# Altium PCB RFFE.PcbDoc (part 7 of 7)
Units mm, origin at the board's own origin, x right, y up, seen from the top; angles counter-clockwise.
Board outline 301.13 x 195.92 mm, 10 copper layers (RFsignal Top, Ground RF signal, Supply, SupplyGND, Digital signal, DigitalGND, CallTone RF, Ground Calltone, Ground RF signal (Plane6), RFsignal Bottom), stack 1.907 mm thick; 558 components, 369 nets, 2153 pads, 4580 vias.
Unrouted connection lines stored in the file: 1.
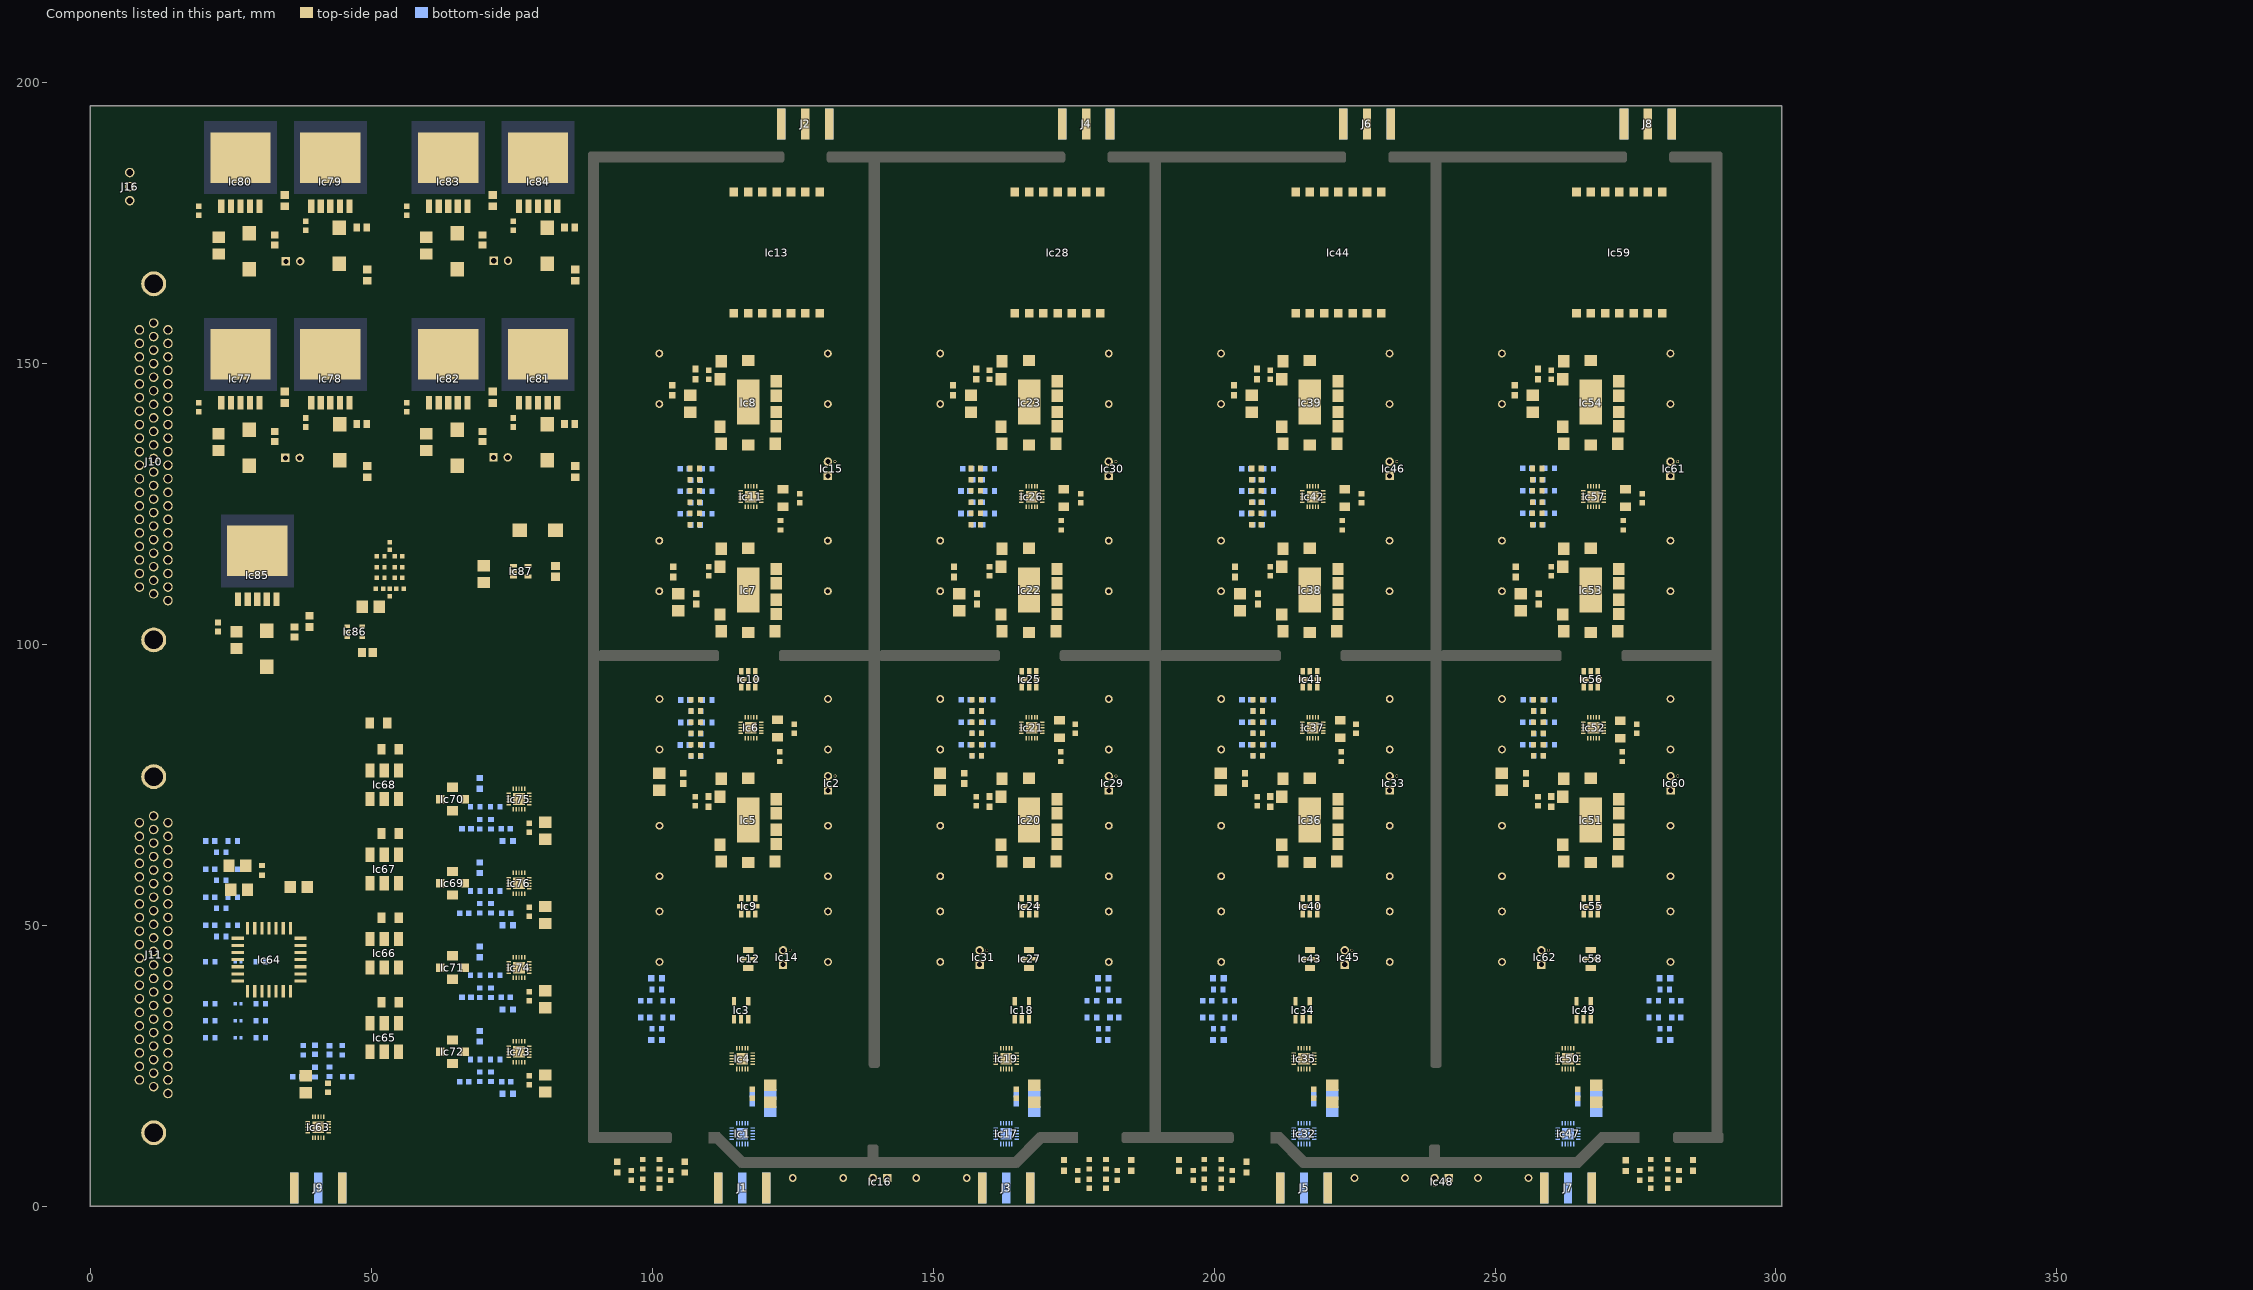
[diagram p15: the components of this part, seen from the top]

## Polygon pours and split planes (outlines as drawn) (continued)
RFGND on RFsignal Top "Top Layer-No Net" (solid, remove dead copper, pour order 115): 257,120 257,98.75 275.281,98.75 276.5,98.75 276.5,120 257,120
RFGND on RFsignal Top "Top Layer-No Net" (solid, remove dead copper, pour order 116): 207,120 207,98.75 225.281,98.75 226.5,98.75 226.5,120 207,120
RFGND on RFsignal Top "Top Layer-No Net" (solid, remove dead copper, pour order 117): 157,120 157,98.75 175.281,98.75 176.5,98.75 176.5,120 157,120
RFGND on RFsignal Top "Top Layer-No Net" (solid, remove dead copper, pour order 118): 107,120 107,98.75 125.281,98.75 126.5,98.75 126.5,120 107,120
RFGND on RFsignal Top "Top Layer-No Net" (solid, remove dead copper, pour order 114): 257,78.75 275.25,78.75 275.25,58.75 257,58.75 257,78.75
RFGND on RFsignal Top "Top Layer-No Net" (solid, remove dead copper, pour order 110): 207,78.75 207,58.75 225.25,58.75 225.25,78.75 207,78.75
RFGND on RFsignal Top "Top Layer-No Net" (solid, remove dead copper, pour order 106): 157,78.75 157,58.75 175.25,58.75 175.25,78.75 157,78.75
RFGND on RFsignal Top "Top Layer-No Net" (solid, remove dead copper, pour order 104): 107,78.75 125.25,78.75 125.25,58.38 107,58.38 107,78.75
RFGND on RFsignal Top "Top Layer-No Net" (solid, pour order 100): 264,47.5 270.25,47.5 270.25,40 264,40 264,47.5
RFGND on RFsignal Top "Top Layer-No Net" (solid, pour order 97): 214,47.5 214,40 220.25,40 220.25,47.5 214,47.5
RFGND on RFsignal Top "Top Layer-No Net" (solid, remove dead copper, pour order 102): 114,47.5 120.25,47.5 120.25,40 114,40 114,47.5
RFGND on RFsignal Top "Top Layer-No Net" (solid, pour order 108): 164,47.5 164,40 170.25,40 170.25,47.5 164,47.5
RFGND on RFsignal Top "Top Layer-No Net" (solid, remove dead copper, pour order 148): 107,98.75 107,91.5 126.5,91.5 126.5,98.75 107,98.75
RFGND on RFsignal Top "Top Layer-No Net" (solid, remove dead copper, pour order 149): 157,98.75 157,91.5 176.5,91.5 176.5,98.75 157,98.75
RFGND on RFsignal Top "Top Layer-No Net" (solid, remove dead copper, pour order 150): 207,98.75 207,91.5 226.5,91.5 226.5,98.75 207,98.75
RFGND on RFsignal Top "Top Layer-No Net" (solid, remove dead copper, pour order 151): 257,98.75 257,91.5 276.5,91.5 276.5,98.75 257,98.75
RFGND on RFsignal Top "Top Layer-No Net" (solid, remove dead copper, pour order 152): 107.05,58.75 107.05,47.5 125.25,47.5 125.25,58.7 107,58.7
RFGND on RFsignal Top "Top Layer-No Net" (solid, remove dead copper, pour order 153): 157,58.75 157,47.5 175.25,47.5 175.25,58.75 157,58.75
RFGND on RFsignal Top "Top Layer-No Net" (solid, remove dead copper, pour order 154): 207,58.75 207,47.5 225.25,47.5 225.25,58.75 207,58.75
RFGND on RFsignal Top "Top Layer-No Net" (solid, remove dead copper, pour order 155): 257,58.75 257,47.5 275.25,47.5 275.25,58.75 257,58.75
RFGND on RFsignal Top "Top Layer-No Net" (solid, remove dead copper, pour order 159): 107,153.75 135.25,153.75 135.25,195.5 107,195.5 107,153.75
RFGND on RFsignal Top "Top Layer-No Net" (solid, remove dead copper, pour order 158): 157,153.75 185.25,153.75 185.25,195.5 157,195.5 157,153.75
RFGND on RFsignal Top "Top Layer-No Net" (solid, remove dead copper, pour order 157): 207,153.75 235.25,153.75 235.25,195.5 207,195.5 207,153.75
RFGND on RFsignal Top "Top Layer-No Net" (solid, remove dead copper, pour order 156): 257,153.75 285.25,153.75 285.25,195.5 257,195.5 257,153.75
RFGND on RFsignal Top "Top Layer-No Net" (solid, pour order 160): 90.266,0.503 90.266,31.753 188.229,31.753 188.229,0.503 90.266,0.503
RFGND on RFsignal Top "Top Layer-No Net" (solid, pour order 161): 191.13,0.501 191.13,31.751 287.63,31.751 287.63,0.501 191.13,0.501
PGND on RFsignal Top "Top Layer-No Net" (solid, pour order 162): 45.25,90 67.5,90 67.5,22.75 45.25,22.75 45.25,90
RFGND on RFsignal Top "Top Layer-No Net" (solid, pour order 103): 285.25,195.5 285.25,153.754 275.25,153.754 275.25,153.75 275.25,122.67 276.5,122.67 276.5,89 276.5,81.5 275.25,81.5 275.25,47.5 270.25,47.5 270.25,40 267.86,40 267.44,40 267.44,35.15 267.44,31.751 287.63,31.751 287.63,0.501 287.63,0.5 300.75,0.5 300.74,0.5 300.74,195.489 300.74,195.5 285.25,195.5
RFGND on RFsignal Top "Top Layer-No Net" (solid, pour order 113): 257,195.5 257,133.51 252.48,133.51 252.48,120 257,120 257,91.5 255.25,91.5 255.25,78.75 257,78.75 257,47.5 264,47.5 264,40 266.22,40 266.3,40 266.3,37.15 266.3,36.8 263.8,36.8 263.721,36.8 263.721,31.751 263.721,31.75 217.4,31.75 217.4,40.05 217.4,40 220.25,40 220.25,47.5 225.25,47.5 225.25,81.5 225.25,89 226.5,89 226.5,122.67 226.5,130.35 225.25,130.35 225.25,153.75 225.25,153.754 235.25,153.754 235.25,195.5 257,195.5
RFGND on RFsignal Top "Top Layer-No Net" (solid, remove dead copper, pour order 112): 207,195.5 207,133.51 202.48,133.51 202.48,120 207,120 207,91.5 205.25,91.5 205.25,78.75 207,78.75 207,47.5 214,47.5 214,40 216.22,40 216.3,40 216.3,37.15 216.3,36.8 213.8,36.8 213.721,36.8 213.721,31.751 213.721,31.75 167.4,31.75 167.4,40.05 167.4,40 170.25,40 170.25,47.5 175.25,47.5 175.25,81.5 175.25,89 176.5,89 176.5,122.67 176.5,130.35 175.25,130.35 175.25,153.75 175.25,153.754 185.25,153.754 185.25,195.5 207,195.5
RFGND on RFsignal Top "Top Layer-No Net" (solid, pour order 111): 157,195.5 157,133.51 152.48,133.51 152.48,120 157,120 157,91.5 155.25,91.5 155.25,78.75 157,78.75 157,47.5 164,47.5 164,40 166.22,40 166.3,40 166.3,37.15 166.3,36.8 163.8,36.8 163.721,36.8 163.721,31.751 163.721,31.75 117.4,31.75 117.4,40.05 117.4,40 120.25,40 120.25,47.5 125.25,47.5 125.25,81.5 125.25,89 126.5,89 126.5,122.67 126.5,130.35 125.25,130.35 125.25,153.75 125.25,153.754 135.25,153.754 135.25,195.5 157,195.5
RFGND on RFsignal Top "Top Layer-No Net" (solid, remove dead copper, pour order 124): 107,195.5 107,133.51 102.48,133.51 102.48,120 107,120 107,91.5 105.25,91.5 105.25,78.75 107,78.75 107.05,78.75 107.05,47.5 114,47.5 114,40 116.22,40 116.3,40 116.3,37 116.3,36.85 113.85,36.85 113.681,36.85 113.681,31.753 90.266,31.753 90.25,31.753 90.25,34 90.25,78.9 90.25,174.3 90.25,195.5 90.3,195.5 107,195.5
PGND on RFsignal Top "Top Layer-No Net" (solid, pour order 169): 36.704,16.711 36.704,11.151 44.202,11.151 44.307,11.151 44.307,16.711 44.307,16.696 36.704,16.696
PGND on RFsignal Top "Top Layer-No Net" (solid, pour order 170): 19.75,47.897 19.75,90 46.24,90 46.24,47.897 19.75,47.897
RFGND on RFsignal Bottom "Top Layer-No Net" (solid, pour order 107): 0,195.793 0,0 301,0 301,195.793 0,195.793
no net on Top Solder "Top Layer-No Net" (solid): 89.5,41.25 89.5,38.53 89.76,38.53 ccw(c89.76,41.07) 92.3,41.07 92.3,41.25 92.3,41.46 ccw(c89.76,41.46) 89.76,44 89.49,44 89.33,44 ccw(c89.33,41.46) 86.79,41.46 86.79,41.25 86.79,41.03 ccw(c89.33,41.03) 89.33,38.49 89.51,38.49
no net on Top Solder "Top Layer-No Net" (solid): 189.5,41.25 189.5,38.53 189.76,38.53 ccw(c189.76,41.07) 192.3,41.07 192.3,41.25 192.3,41.46 ccw(c189.76,41.46) 189.76,44 189.49,44 189.33,44 ccw(c189.33,41.46) 186.79,41.46 186.79,41.25 186.79,41.03 ccw(c189.33,41.03) 189.33,38.49 189.51,38.49
no net on Top Solder "Top Layer-No Net" (solid): 289.5,41.25 289.5,38.53 289.76,38.53 ccw(c289.76,41.07) 292.3,41.07 292.3,41.25 292.3,41.46 ccw(c289.76,41.46) 289.76,44 289.49,44 289.33,44 ccw(c289.33,41.46) 286.79,41.46 286.79,41.25 286.79,41.03 ccw(c289.33,41.03) 289.33,38.49 289.51,38.49
no net on Top Solder "Top Layer-No Net" (solid): 288.45,98 288.45,95.28 288.71,95.28 ccw(c288.71,97.82) 291.25,97.82 291.25,98 291.25,98.21 ccw(c288.71,98.21) 288.71,100.75 288.44,100.75 288.28,100.75 ccw(c288.28,98.21) 285.74,98.21 285.74,98 285.74,97.78 ccw(c288.28,97.78) 288.28,95.24 288.46,95.24
no net on Top Solder "Top Layer-No Net" (solid): 90.5,98 90.5,95.28 90.76,95.28 ccw(c90.76,97.82) 93.3,97.82 93.3,98 93.3,98.21 ccw(c90.76,98.21) 90.76,100.75 90.49,100.75 90.33,100.75 ccw(c90.33,98.21) 87.79,98.21 87.79,98 87.79,97.78 ccw(c90.33,97.78) 90.33,95.24 90.51,95.24
no net on Top Solder "Top Layer-No Net" (solid): 90.5,13.25 90.5,10.53 90.76,10.53 ccw(c90.76,13.07) 93.3,13.07 93.3,13.25 93.3,13.46 ccw(c90.76,13.46) 90.76,16 90.49,16 90.33,16 ccw(c90.33,13.46) 87.79,13.46 87.79,13.25 87.79,13.03 ccw(c90.33,13.03) 90.33,10.49 90.51,10.49
no net on Top Solder "Top Layer-No Net" (solid): 139.25,9 139.25,6.28 139.51,6.28 ccw(c139.51,8.82) 142.05,8.82 142.05,9 142.05,9.21 ccw(c139.51,9.21) 139.51,11.75 139.24,11.75 139.08,11.75 ccw(c139.08,9.21) 136.54,9.21 136.54,9 136.54,8.78 ccw(c139.08,8.78) 139.08,6.24 139.26,6.24
no net on Top Solder "Top Layer-No Net" (solid): 189.5,13.5 189.5,10.78 189.76,10.78 ccw(c189.76,13.32) 192.3,13.32 192.3,13.5 192.3,13.71 ccw(c189.76,13.71) 189.76,16.25 189.49,16.25 189.33,16.25 ccw(c189.33,13.71) 186.79,13.71 186.79,13.5 186.79,13.28 ccw(c189.33,13.28) 189.33,10.74 189.51,10.74
no net on Top Solder "Top Layer-No Net" (solid): 239.25,9 239.25,6.28 239.51,6.28 ccw(c239.51,8.82) 242.05,8.82 242.05,9 242.05,9.21 ccw(c239.51,9.21) 239.51,11.75 239.24,11.75 239.08,11.75 ccw(c239.08,9.21) 236.54,9.21 236.54,9 236.54,8.78 ccw(c239.08,8.78) 239.08,6.24 239.26,6.24
no net on Top Solder "Top Layer-No Net" (solid): 288.5,13.25 288.5,10.53 288.76,10.53 ccw(c288.76,13.07) 291.3,13.07 291.3,13.25 291.3,13.46 ccw(c288.76,13.46) 288.76,16 288.49,16 288.33,16 ccw(c288.33,13.46) 285.79,13.46 285.79,13.25 285.79,13.03 ccw(c288.33,13.03) 288.33,10.49 288.51,10.49
no net on Top Solder "Top Layer-No Net" (solid): 294,3.75 294,1.03 294.26,1.03 ccw(c294.26,3.57) 296.8,3.57 296.8,3.75 296.8,3.96 ccw(c294.26,3.96) 294.26,6.5 293.99,6.5 293.83,6.5 ccw(c293.83,3.96) 291.29,3.96 291.29,3.75 291.29,3.53 ccw(c293.83,3.53) 293.83,0.99 294.01,0.99
no net on Top Solder "Top Layer-No Net" (solid): 294,190 294,187.28 294.26,187.28 ccw(c294.26,189.82) 296.8,189.82 296.8,190 296.8,190.21 ccw(c294.26,190.21) 294.26,192.75 293.99,192.75 293.83,192.75 ccw(c293.83,190.21) 291.29,190.21 291.29,190 291.29,189.78 ccw(c293.83,189.78) 293.83,187.24 294.01,187.24
no net on Top Solder "Top Layer-No Net" (solid): 288.75,186 288.75,183.28 289.01,183.28 ccw(c289.01,185.82) 291.55,185.82 291.55,186 291.55,186.21 ccw(c289.01,186.21) 289.01,188.75 288.74,188.75 288.58,188.75 ccw(c288.58,186.21) 286.04,186.21 286.04,186 286.04,185.78 ccw(c288.58,185.78) 288.58,183.24 288.76,183.24
no net on Top Solder "Top Layer-No Net" (solid): 239.5,185.75 239.5,183.03 239.76,183.03 ccw(c239.76,185.57) 242.3,185.57 242.3,185.75 242.3,185.96 ccw(c239.76,185.96) 239.76,188.5 239.49,188.5 239.33,188.5 ccw(c239.33,185.96) 236.79,185.96 236.79,185.75 236.79,185.53 ccw(c239.33,185.53) 239.33,182.99 239.51,182.99
no net on Top Solder "Top Layer-No Net" (solid): 189.5,185.75 189.5,183.03 189.76,183.03 ccw(c189.76,185.57) 192.3,185.57 192.3,185.75 192.3,185.96 ccw(c189.76,185.96) 189.76,188.5 189.49,188.5 189.33,188.5 ccw(c189.33,185.96) 186.79,185.96 186.79,185.75 186.79,185.53 ccw(c189.33,185.53) 189.33,182.99 189.51,182.99
no net on Top Solder "Top Layer-No Net" (solid): 139.5,185.75 139.5,183.03 139.76,183.03 ccw(c139.76,185.57) 142.3,185.57 142.3,185.75 142.3,185.96 ccw(c139.76,185.96) 139.76,188.5 139.49,188.5 139.33,188.5 ccw(c139.33,185.96) 136.79,185.96 136.79,185.75 136.79,185.53 ccw(c139.33,185.53) 139.33,182.99 139.51,182.99
no net on Top Solder "Top Layer-No Net" (solid): 90.25,186 90.25,183.28 90.51,183.28 ccw(c90.51,185.82) 93.05,185.82 93.05,186 93.05,186.21 ccw(c90.51,186.21) 90.51,188.75 90.24,188.75 90.08,188.75 ccw(c90.08,186.21) 87.54,186.21 87.54,186 87.54,185.78 ccw(c90.08,185.78) 90.08,183.24 90.26,183.24
no net on Top Solder "Top Layer-No Net" (solid): 5.504,3.75 5.504,1.03 5.764,1.03 ccw(c5.764,3.57) 8.304,3.57 8.304,3.75 8.304,3.96 ccw(c5.764,3.96) 5.764,6.5 5.494,6.5 5.334,6.5 ccw(c5.334,3.96) 2.794,3.96 2.794,3.75 2.794,3.53 ccw(c5.334,3.53) 5.334,0.99 5.514,0.99
no net on Top Solder "Top Layer-No Net" (solid): 4.5,190.5 4.5,187.78 4.76,187.78 ccw(c4.76,190.32) 7.3,190.32 7.3,190.5 7.3,190.71 ccw(c4.76,190.71) 4.76,193.25 4.49,193.25 4.33,193.25 ccw(c4.33,190.71) 1.79,190.71 1.79,190.5 1.79,190.28 ccw(c4.33,190.28) 4.33,187.74 4.51,187.74
no net on Top Solder "Top Layer-No Net" (solid): 239.5,29.9 239.5,27.18 239.76,27.18 ccw(c239.76,29.72) 242.3,29.72 242.3,29.9 242.3,30.11 ccw(c239.76,30.11) 239.76,32.65 239.49,32.65 239.33,32.65 ccw(c239.33,30.11) 236.79,30.11 236.79,29.9 236.79,29.68 ccw(c239.33,29.68) 239.33,27.14 239.51,27.14
no net on Top Solder "Top Layer-No Net" (solid): 139.5,29.9 139.5,27.18 139.76,27.18 ccw(c139.76,29.72) 142.3,29.72 142.3,29.9 142.3,30.11 ccw(c139.76,30.11) 139.76,32.65 139.49,32.65 139.33,32.65 ccw(c139.33,30.11) 136.79,30.11 136.79,29.9 136.79,29.68 ccw(c139.33,29.68) 139.33,27.14 139.51,27.14
DGND on Digital signal "Top Layer-No Net" (solid, pour order 98): 0,195.74 0,0 301,0 300.89,0 300.89,195.793 300.89,195.74 0,195.74
PGND on CallTone RF "Top Layer-No Net" (solid, pour order 101): 0,195.74 301,195.74 301,0 0,0 0,195.74
RFGND on Ground RF signal (split plane): 300.553,0.447 247.807,0.447 247.807,160.484 300.553,160.484
RFGND on Ground RF signal (split plane): 300.553,161.505 247.297,161.505 247.197,161.495 247.101,161.466 247.013,161.419 246.936,161.356 246.872,161.278 246.825,161.19 246.796,161.094 246.786,160.995 246.786,0.447 0.447,0.447 0.447,195.347 300.553,195.347
3VGND on SupplyGND (split plane): 300.553,0.447 247.807,0.447 247.807,160.484 300.553,160.484
3VGND on SupplyGND (split plane): 300.553,161.505 247.297,161.505 247.197,161.495 247.101,161.466 247.013,161.419 246.936,161.356 246.872,161.278 246.825,161.19 246.796,161.094 246.786,160.995 246.786,0.447 0.447,0.447 0.447,195.347 300.553,195.347
DGND on DigitalGND (split plane): 300.553,0.447 247.807,0.447 247.807,160.484 300.553,160.484
DGND on DigitalGND (split plane): 300.553,161.505 247.297,161.505 247.197,161.495 247.101,161.466 247.013,161.419 246.936,161.356 246.872,161.278 246.825,161.19 246.796,161.094 246.786,160.995 246.786,0.447 0.447,0.447 0.447,195.347 300.553,195.347
PGND on Ground Calltone (split plane): 300.553,0.447 247.807,0.447 247.807,160.484 300.553,160.484
PGND on Ground Calltone (split plane): 300.553,161.505 247.297,161.505 247.197,161.495 247.101,161.466 247.013,161.419 246.936,161.356 246.872,161.278 246.825,161.19 246.796,161.094 246.786,160.995 246.786,0.447 0.447,0.447 0.447,195.347 300.553,195.347
RFGND on Ground RF signal (Plane6) (split plane): 300.553,0.447 247.807,0.447 247.807,160.484 300.553,160.484
RFGND on Ground RF signal (Plane6) (split plane): 300.553,161.505 247.297,161.505 247.197,161.495 247.101,161.466 247.013,161.419 246.936,161.356 246.872,161.278 246.825,161.19 246.796,161.094 246.786,160.995 246.786,0.447 0.447,0.447 0.447,195.347 300.553,195.347

## Keep-outs
Keep-Out Layer:
  lines w0.127: 0,195.74 0,195.793 ; 0,195.793 0,0 301,0 301,195.793 0,195.793

## Other copper
RFsignal Top:
  rectangle net +3V: 121.906,20.639 122.305,20.943
  rectangle net +3V: 168.925,20.643 169.359,20.957
  rectangle net +3V: 221.984,20.646 222.312,20.869
  rectangle net +3V: 268.9,20.639 269.328,20.946
  rectangle net RFGND: 87.655,101.559 89.103,102.464
  rectangle net NetIc11_1: 108.717,121.66 108.973,121.82
  rectangle net NetIc11_15: 108.705,130.82 109.008,130.929
  rectangle net NetIc26_1: 158.737,121.706 158.933,121.82
  rectangle net NetIc26_15: 158.719,130.82 158.982,130.963
  rectangle net NetIc42_1: 208.728,121.695 208.943,121.819
  rectangle net NetIc42_15: 208.797,130.82 209.026,130.903
  rectangle net NetIc42_16: 208.797,128.819 209.005,128.903
  rectangle net NetIc57_1: 258.778,121.722 258.974,121.82
  rectangle net NetIc57_15: 258.757,130.82 259.037,130.91
  rectangle net NetIc85_5: 35.55,103.529 35.632,103.775
  rectangle net 3VGND: 52.148,106.916 52.597,107.216
  rectangle net +3V: 102.85,3.9 103.1,4.2
  rectangle net GNDCHA: 28.55,130.2 28.85,130.65
  rectangle net GNDCHB: 65.6,130.1 65.85,130.7
  rectangle net GNDCHC: 28.6,165.2 28.95,165.65
  rectangle net GNDCHD: 65.65,165.3 65.9,165.6
  rectangle net RFGND: 261.886,80.75 266.221,81.534
  rectangle net RFGND: 264.75,43.25 269.25,43.75
  rectangle net RFGND: 264.75,44.25 269.5,44.75
  rectangle net RFGND: 266.65,43.5 267.45,44.4
  rectangle net RFGND: 268.55,43.5 269.35,44.4
  rectangle net RFGND: 264.85,43.6 265.55,44.4
  rectangle net RFGND: 265.32,31.5 267.44,35.15
  rectangle net RFGND: 214.5,44.25 219.5,44.75
  rectangle net RFGND: 216.75,43.7 217.45,44.4
  rectangle net RFGND: 215,43.25 219.5,43.75
  rectangle net RFGND: 218.55,43.75 219.5,44.4
  rectangle net RFGND: 214.85,43.6 215.55,44.4
  rectangle net RFGND: 215.32,31.5 217.44,35.15
  rectangle net RFGND: 164.5,44.25 169.75,44.75
  rectangle net RFGND: 166.65,43.6 167.55,44.4
  rectangle net RFGND: 165,43.25 169.25,43.75
  rectangle net RFGND: 168.55,43.6 169.45,44.4
  rectangle net RFGND: 164.75,43.7 165.55,44.5
  rectangle net RFGND: 165.32,31.5 167.44,35.15
  rectangle net RFGND: 114.75,43.25 119.5,43.75
  rectangle net RFGND: 114.5,44.25 119.75,44.75
  rectangle net RFGND: 116.75,43.7 117.35,44.4
  rectangle net RFGND: 118.55,43.6 119.35,44.4
  rectangle net RFGND: 114.75,43.5 115.55,44.5
  rectangle net RFGND: 115.32,31.5 117.44,35.15
  rectangle net RFGND: 211.842,80.76 216.221,81.534
  rectangle net RFGND: 161.813,80.75 166.221,81.534
  rectangle net RFGND: 112,81.25 116.221,81.534
  rectangle net RFGND: 88.5,187.19 90.25,195.392
  rectangle net RFGND: 88.5,0.503 90.266,12.042
  rectangle net GND: 48.09,108.17 56.19,118.65
  rectangle net GND: 52.26,105.66 54.76,109.95
  rectangle net NetIc1_17: 97.604,7.85 97.931,8.031
  rectangle net NetIc1_17: 96.384,6.573 96.75,7.012
  rectangle net 3VGND: 49.45,96.92 52.79,99.39
  rectangle net 3VGND: 51.35,99.27 52.77,99.75
Supply:
  rectangle net +3V: 154.385,99.565 154.534,99.921
RFsignal Bottom:
  rectangle net RFGND: 266.18,5.61 268.25,11.15
  rectangle net RFGND: 257.7,5.61 259.78,9.65
  rectangle net RFGND: 219.13,5.74 221.25,11.15
  rectangle net RFGND: 210.5,5.68 212.93,9.65
  rectangle net RFGND: 166.23,5.66 168.25,11.15
  rectangle net RFGND: 157.5,5.74 159.9,9.65
  rectangle net RFGND: 119.13,5.84 121.25,11.15
  rectangle net RFGND: 110.5,5.8 113.06,9.65
  rectangle net NetIc31_1: 157.276,43.16 157.644,43.373
  rectangle net NetIc62_1: 257.304,43.168 257.637,43.312
  rectangle net NetD3_1: 28.951,29.354 29.13,29.745
  rectangle net +3V: 189.55,34.25 189.95,34.45
  rectangle net +3V: 164.1,15 164.2,15.1
  rectangle net +3V: 264.1,15 264.2,15.1
  rectangle net +3V: 219.57,16.97 219.92,17.17
  rectangle net +3V: 119.75,17 120.1,17.2
  rectangle net +3V: 189.51,33.79 190.47,34.29

## Silkscreen, mask and mechanical layers (free items; w line width, h text height)
Top Overlay:
  drawing of 5 lines, arcs and shapes, not listed
  text "StarGND" at 60.763,110.149 h0.8 r90
  text "Beam Position Monitor - RF Front-End" at 58.64,82.47 h1.52
  text "RFFE-Ver1A  09/2012" at 58.51,80.16 h1.52
  text "Licensed under CERN OHL v.1.1" at 58.42,78.38 h2
  text "Sirius" at 41.86,66.1 h2
  text "Beam Diagnostics Group" at 27.09,64.54 h2
Top Solder:
  rectangle: 238.232,12.56 240.232,13.46
  rectangle: 138.28,12.51 140.28,13.41
  lines w1: 113.854,10.708 ccw(c119.24,15.178) 119.445,8.181 ; 162.214,8.336 ccw(c162.75,12.3) 166.046,10.034 ; 213.854,10.708 ccw(c219.24,15.178) 219.445,8.181 ; 262.314,8.336 ccw(c262.85,12.3) 266.146,10.034
  lines w1.4: 87.773,40.051 cw(c83.108,36.278) 89.102,36.552 ; 87.786,42.471 ccw(c83.1,46.219) 89.1,46.2 ; 89.899,36.567 cw(c95.884,36.138) 91.17,39.85 ; 89.911,46.252 ccw(c95.911,46.312) 91.37,42.39 ; 137.773,28.721 cw(c133.108,24.948) 139.102,25.222 ; 137.786,31.101 ccw(c133.1,34.849) 139.1,34.83 ; 139.899,25.267 cw(c145.884,24.838) 141.17,28.55 ; 139.901,34.902 ccw(c145.901,34.962) 141.36,31.04 ; 187.776,42.481 ccw(c183.09,46.229) 189.09,46.21 ; 187.803,39.961 cw(c183.138,36.188) 189.132,36.462 ; 189.919,36.617 cw(c195.904,36.188) 191.19,39.9 ; 189.921,46.202 ccw(c195.921,46.262) 191.095,42.696 ; 237.723,28.761 cw(c233.058,24.988) 239.052,25.262 ; 237.786,31.081 ccw(c233.1,34.829) 239.1,34.81 ; 239.901,34.942 ccw(c245.901,35.002) 241.075,31.436 ; 239.909,25.277 cw(c245.894,24.848) 241.18,28.56 ; 287.773,40.061 cw(c283.108,36.288) 289.102,36.562 ; 287.776,42.491 ccw(c283.09,46.239) 289.09,46.22 ; 289.906,46.255 ccw(c295.905,46.316) 291.08,42.75 ; 289.919,36.637 cw(c295.904,36.208) 291.19,39.92
  lines w2: 89.45,179.7 cw(c96.937,179.264) 97.373,186.752 ; 89.508,19.689 ccw(c99.2,22.15) 100.77,12.274 ; 89.555,91.704 cw(c95.55,91.945) 95.847,97.938 ; 89.56,103.201 ccw(c95.5,104.05) 96.349,98.11 ; 131.349,7.836 ccw(c132.62,13.7) 138.484,12.429 ; 133.446,98.05 cw(c133.5,92.05) 139.498,91.894 ; 133.649,97.926 ccw(c133.499,103.924) 139.499,104.002 ; 139.4,104 ccw(c145.4,104.05) 145.449,98.05 ; 139.421,92.101 cw(c145.42,91.989) 145.45,97.989 ; 140.056,12.429 ccw(c145.92,13.7) 146.608,7.74 ; 183.476,98.049 cw(c183.529,92.049) 189.527,91.893 ; 183.679,97.926 ccw(c183.528,103.924) 189.528,104.001 ; 184.35,12.3 ccw(c183,18.75) 189.45,20.1 ; 189.43,104 ccw(c195.429,104.049) 195.479,98.05 ; 189.45,92.1 cw(c195.449,91.989) 195.479,97.989 ; 189.472,19.205 ccw(c196.05,18.8) 195.645,12.222 ; 231.302,7.887 ccw(c232.572,13.75) 238.436,12.48 ; 233.476,98.049 cw(c233.529,92.049) 239.527,91.893 ; 233.679,97.926 ccw(c233.528,103.924) 239.528,104.001 ; 239.43,104 ccw(c245.429,104.049) 245.479,98.05 ; 239.45,92.1 cw(c245.449,91.989) 245.479,97.989 ; 240.008,12.48 ccw(c245.872,13.75) 246.56,7.79 ; 282.05,186.699 cw(c281.95,179.2) 289.449,179.1 ; 282.798,12.191 ccw(c281.53,20.09) 289.429,21.358 ; 283.376,97.949 cw(c283.429,91.949) 289.427,91.793 ; 284.45,98.1 ccw(c283.499,104.024) 289.423,104.975
  lines w2.1: 133.446,186.75 cw(c133.5,180.75) 139.498,180.594 ; 139.524,181.805 cw(c145.42,180.689) 145.45,186.689 ; 183.446,186.75 cw(c183.5,180.75) 189.498,180.594 ; 189.521,180.809 cw(c195.52,180.689) 195.55,186.689 ; 233.446,186.75 cw(c233.5,180.75) 239.498,180.594 ; 239.521,180.801 cw(c245.52,180.689) 245.55,186.689

## Text inside footprints (layer, text, board x,y; h text height)
J10: Top Overlay "1" at 14.3,158.46 h0.8 r90; Top Overlay "21" at 14.35,104.46 h0.8 r90; Top Overlay "43" at 9.15,157.46 h0.8 r90; Top Overlay "62" at 9.15,106.06 h0.8 r90
J11: Top Overlay "62" at 9.15,18.31 h0.8 r90; Top Overlay "43" at 9.15,69.71 h0.8 r90; Top Overlay "21" at 14.35,16.71 h0.8 r90; Top Overlay "1" at 14.3,70.71 h0.8 r90